# Altium PCB SP8T_ecal.PcbDoc (part 3 of 3)
Units mil, origin at the board's own origin, x right, y up, seen from the top; angles counter-clockwise.
Board outline 3670.29 x 2461.63 mil, 6 copper layers (TOP, L02_GND, L03_SIG, L04_GND, L05_GND, BOTTOM), stack 47.2 mil thick; 45 components, 41 nets, 408 pads, 2496 vias.
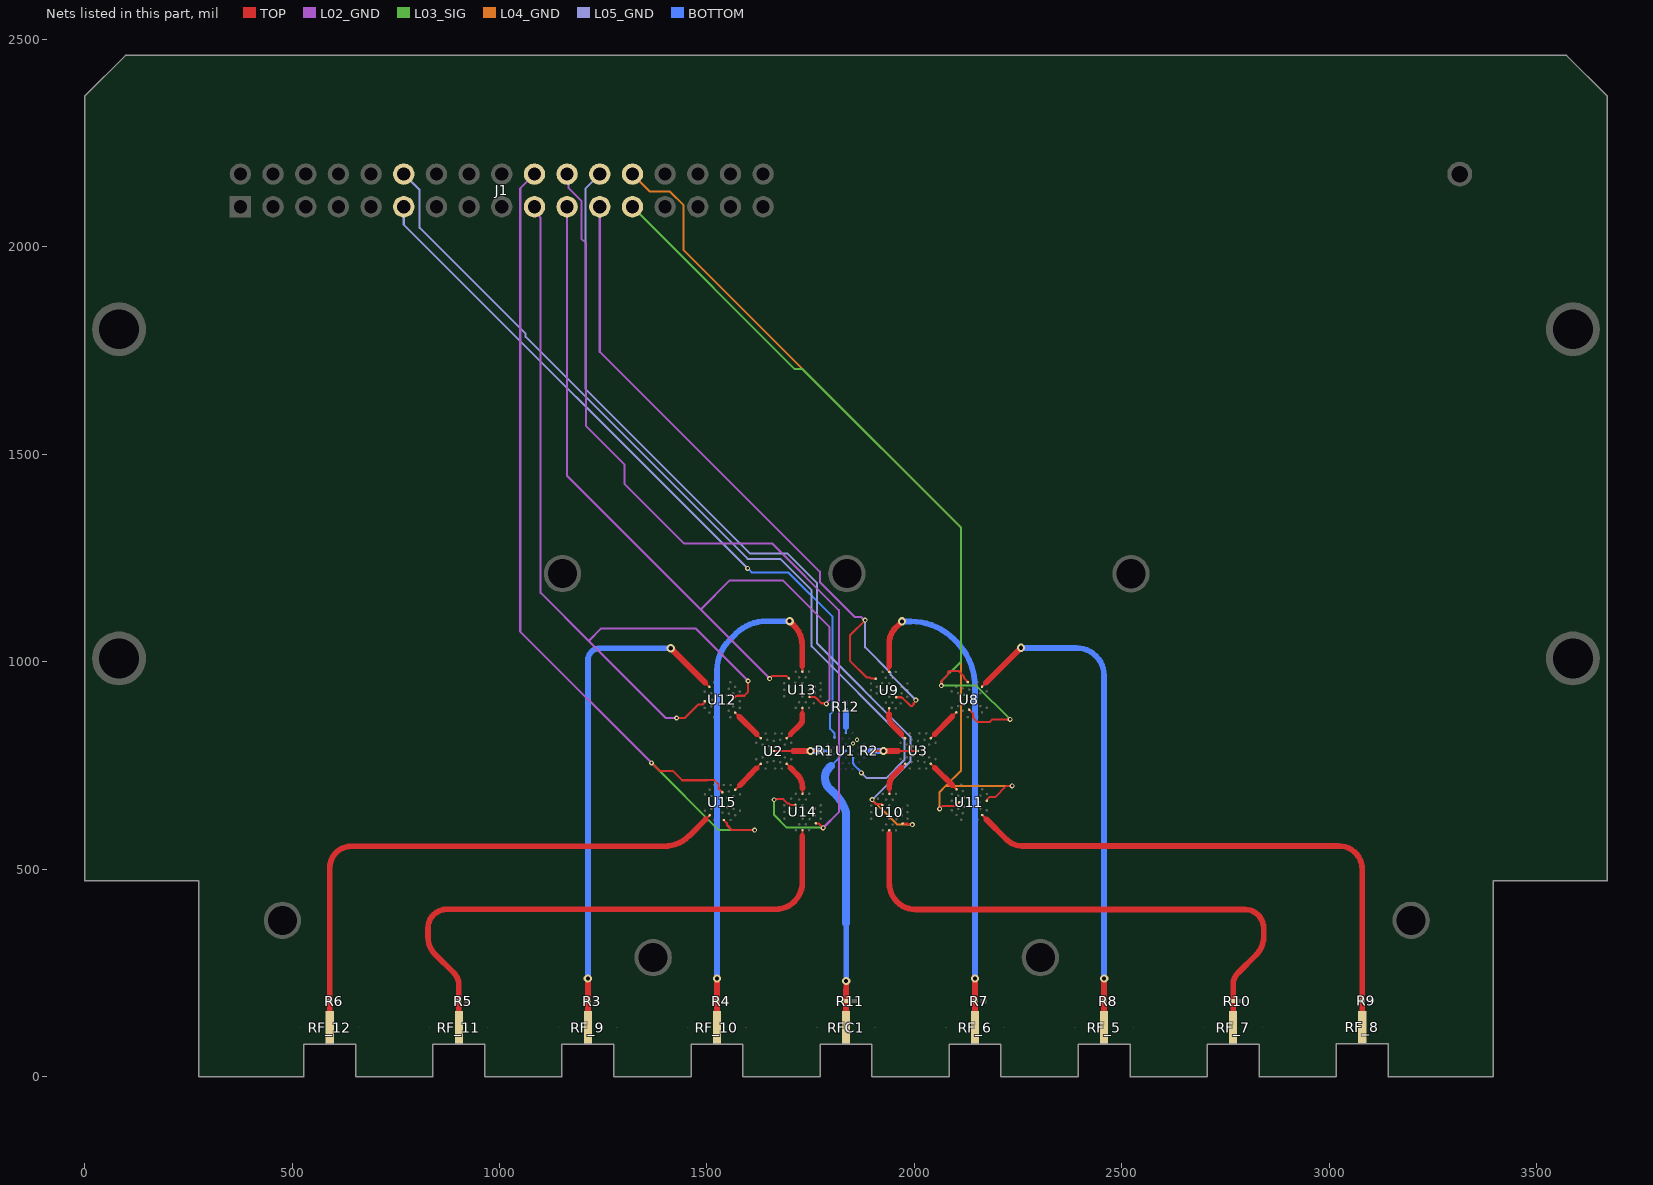
[diagram p7: the nets of this part, all layers, seen from the top]

## Via types
v1: diameter 20, hole 10, TOP to L02_GND, tented top, 791 vias
v2: diameter 20, hole 10, L05_GND to BOTTOM, tented top, 635 vias
v3: diameter 20, hole 10, TOP to BOTTOM, tented top, 619 vias
v4: diameter 10, hole 5, TOP to L02_GND, tented top, 386 vias
v5: diameter 12.01, hole 5.98, TOP to BOTTOM, 40 vias
v6: diameter 10, hole 5, L05_GND to BOTTOM, tented bottom, 25 vias

## Nets (pads, with @x,y where several pads share a name; then routed paths per layer and width w, separated by ;. In a path a pad name is that pad's centre, name@x,y a point inside that pad or via, vN(x,y) a via of type N, cw(c..) or ccw(c..) an arc to the next point about the centre after c; other vN are vias at no path point) (continued)
NetJ1_11: J1.11 U1.9 | length 1764.6
  L05_GND w5: J1.11@769.32,2096.22 769.32,2053.22 v5(1598,1224.53)
  BOTTOM w5: v5@1598.89,1223.86 1607.54,1215.21 1695.43,1215.21 1802.87,1107.76 1802.87,879.17 1797.04,873.33 1797.04,838.04 1807.49,827.6 U1.9@1807.49,816.94
NetJ1_12: J1.12 U1.16 | length 2129.1
  L05_GND w5: J1.12@769.32,2174.96 807.62,2136.66 807.62,2045.67 1063.17,1790.12 1063.17,1782.53 1597.9,1247.79 1676.5,1247.79 1752.45,1171.84 1752.45,1036.88 1976.23,813.1 1976.23,763.67 1931.78,719.23 1884.69,719.23 v5(1872.14,731.78)
  BOTTOM w5: U1.16@1852.11,767.64 1852.11,755.02 1854.18,752.96 1854.18,751.88 1872.14,733.92 v5(1872.14,731.78)
NetJ1_19: J1.19 U12.9 U12.16 | length 1996.8
  TOP w5: v5(1427.08,864.16) 1446.53,864.16 1479.18,896.81 1489.3,896.81 1494.68,902.19 U12.9@1494.68,904.84 ; U12.16@1561.09,908.15 1570.04,917.1 1572.97,917.1 1573.7,917.83 1590,917.83 1599.13,926.97 v5(1599.13,953.29)
  L02_GND w5: J1.19@1084.28,2096.22 1084.28,2084.83 1099.06,2070.04 1099.06,1165.7 1215.14,1049.62 ; v5(1427.08,864.16) 1400.6,864.16 1215.14,1049.62 ; v5(1599.13,953.29) 1472.42,1080 1245.52,1080 1215.14,1049.62
NetJ1_20: J1.20 U15.9 U15.16 | length 2173.9
  TOP w5: v5(1366.39,755.96) 1385.67,736.68 1417.76,736.68 1440.38,714.05 1500.55,714.05 1501.01,714.52 1518,714.52 1527.75,704.77 1527.75,697.33 1528.51,696.57 1528.51,693.64 U15.16@1537.43,684.72 ; U15.9@1540.74,618.31 1540.74,618.06 1548.22,610.57 1548.22,606.28 1560.45,594.06 v5(1615.03,594.06)
  L02_GND w5: J1.20@1084.28,2174.96 1050.05,2140.73 1050.05,1072.3 v5(1366.39,755.96)
  L03_SIG w5: v5(1366.39,755.96) 1528.29,594.06 v5(1615.03,594.06)
NetJ1_21: J1.21 U13.9 U13.16 | length 2013.2
  TOP w5: v5(1651.06,959.26) 1657.54,965.74 1691.18,965.74 1697.52,959.39 U13.9@1697.77,959.39 ; U13.16@1747.07,914.77 1759.61,914.77 1761.68,912.7 1762.84,912.7 1775.89,899.64 1786.29,899.64 v5(1787.63,898.3)
  L02_GND w5: J1.21@1163.02,2096.22 1163.02,1447.3 1484.75,1125.57 ; v5(1651.06,959.26) 1484.75,1125.57 ; v5(1787.63,898.3) 1787.63,900.2 1795.11,907.68 1795.11,1083.92 1683,1196.03 1555.21,1196.03 1484.75,1125.57
NetJ1_22: J1.22 U14.9 U14.16 | length 2234.5
  TOP w5: v5(1661.78,667.13) 1663.08,668.43 1683.84,668.43 1694.47,657.8 1697.78,657.8 1700.74,654.84 U14.16@1713.22,654.84 ; U14.9@1762.52,610.22 1768.78,610.22 v5(1779.85,599.15)
  L02_GND w5: J1.22@1163.02,2174.96 1165.94,2172.04 1165.94,2141.71 1197.25,2110.4 1197.25,2019.54 1208.89,2007.9 1208.89,1567.47 1301.76,1474.59 1301.76,1427.93 1445.43,1284.26 1657.89,1284.26 1818.02,1124.13 1818.02,637.32 v5(1779.85,599.15)
  L03_SIG w5: v5(1661.78,667.13) 1662.1,666.81 1662.1,630.24 1692.55,599.79 1779.21,599.79 v5(1779.85,599.15)
NetJ1_23: J1.23 U9.9 U9.16 | length 1772.1
  TOP w5: v5(1881.08,1100.05) 1845.15,1064.12 1845.15,1001.33 1884.43,962.05 1892.46,962.05 1895.67,958.84 U9.9@1907.02,958.84 ; U9.16@1956.32,914.22 1969.19,914.22 1971.25,912.16 1972.1,912.16 1990.69,893.57 1994.84,893.57 1998.37,897.1 1998.37,899.79 2003.76,905.18 v5(2003.76,907.07)
  L02_GND w5: J1.23@1241.76,2096.22 1241.76,1746.89 1772.11,1216.54 1772.11,1191.91 1856.57,1107.44 1871.79,1107.44 1879.18,1100.05 v5(1881.08,1100.05)
  L05_GND w5: v5(1881.08,1100.05) 1881.08,1034.34 1942.78,972.64 1942.78,968.05 v5(2003.76,907.07)
NetJ1_24: J1.24 U10.9 U10.16 | length 2113.6
  TOP w5: v5(1898.37,667.45) 1898.37,665.55 1899.71,664.21 1899.71,663.64 1906.77,656.58 1920.24,656.58 1922.3,654.52 U10.16@1922.55,654.52 ; U10.9@1971.85,609.9 1982.36,609.9 1984.84,607.41 v5(1995.1,607.41)
  L04_GND w5: v5(1898.37,667.45) 1958.41,607.41 v5(1995.1,607.41)
  L05_GND w5: J1.24@1241.76,2174.96 1207.53,2140.73 1207.53,1656.53 1603.28,1260.78 1693.51,1260.78 1765.44,1188.85 1765.44,1043.63 1990.19,818.87 1990.19,759.27 v5(1898.37,667.45)
NetJ1_25: J1.25 U8.9 U8.16 | length 1933.7
  TOP w5: v5(2065.03,942.27) 2065.89,943.12 2065.89,953.45 2081.61,969.18 2081.61,974.79 2084.54,977.72 2106.24,977.72 2119.95,964.01 2119.95,959.73 2128.69,950.99 U8.9@2128.69,950.74 ; U8.16@2132,884.33 2140.86,875.45 2140.86,872.54 2141.68,871.72 2141.86,871.54 2141.86,864.11 2151.42,854.54 2181.52,854.54 2187.88,860.91 v5(2230.82,860.91)
  L03_SIG w5: J1.25@1320.5,2096.22 1711.78,1704.94 1730.38,1704.94 2112.77,1322.56 2112.77,1000.34 2065.89,953.45 2065.89,943.12 v5(2065.03,942.27) 2149.46,942.27 v5(2230.82,860.91)
NetJ1_26: J1.26 U11.9 U11.16 | length 2198.6
  TOP w5: v5(2060.93,645.19) 2067.4,651.66 2095.65,651.66 2096.5,652.51 2099.43,652.51 U11.16@2108.26,661.34 ; U11.9@2174.67,664.65 2174.67,667.3 2180.79,673.42 2194.49,673.42 2221.7,700.64 v5(2235.4,700.64)
  L04_GND w5: J1.26@1320.5,2174.96 1362.37,2133.09 1410.78,2133.09 1443.75,2100.12 1443.75,1991.57 2112.77,1322.56 2112.77,737.61 2075.8,700.64 ; v5(2060.93,645.19) 2060.93,685.77 2075.8,700.64 ; v5(2235.4,700.64) 2075.8,700.64
NetR12_1: R12.1 U1.11 | length 52.2
  BOTTOM w5: U1.11@1834.99,828.52 1834.99,841.88
  BOTTOM w13.78: 1834.97,841.9 R12.1@1834.96,880.67
NetU2_4: U2.4 U12.14 | length 86.8
  TOP w5: U12.14@1567.82,877.21 1577.61,867.42 ; 1620.25,825.33 U2.4@1630.03,815.55
  TOP w13.78: 1577.78,866.89 1619.95,825.47
NetU2_7: U2.7 U15.14 | length 85.6
  TOP w5: U15.14@1568.37,691.45 1578.15,701.23 ; 1620.25,743.88 U2.7@1630.03,753.67
  TOP w13.78: 1579.04,701.79 1619.34,743.36
NetU2_11: U2.11 U14.14 | length 84.3
  TOP w5: U2.11@1691.91,753.67 1701.69,743.88 ; U14.14@1730.34,681.48 1730.34,692.8
  TOP w13.78: 1701.09,744.41 1717.27,728.23 cw(c1686.18,697.08) 1730.19,697.09 1730.19,695.47
NetU2_14: U2.14 U13.14 | length 84.2
  TOP w5: U2.14@1691.91,815.55 1701.69,825.33 ; 1729.95,876.81 U13.14@1729.95,888.13
  TOP w13.78: 1701.68,825.63 1725.26,849.21 ccw(c1714.8,859.72) 1729.63,859.72 1729.63,873.78
NetU3_4: U3.4 U9.14 | length 87.6
  TOP w5: 1938.91,873.23 U9.14@1939.2,887.58 ; 1967.71,825.44 U3.4@1977.75,815.63
  TOP w13.78: 1938.93,873.23 1938.93,868.46 ccw(c1972.57,868.47) 1948.81,844.65 1968.57,824.88
NetU3_7: U3.7 U10.14 | length 84.3
  TOP w5: U10.14@1939.67,681.16 1939.67,692.48 ; 1967.82,743.66 U3.7@1977.75,753.75
  TOP w10: 1939.4,700.24 1939.67,699.97
  TOP w13.78: 1939.4,700.24 cw(c1975.62,700.24) 1949.98,725.82 ; 1939.67,695.16 1939.67,699.97 ; 1949.99,725.83 1967.82,743.66
NetU3_11: U3.11 U11.14 | length 87.1
  TOP w5: U3.11@2039.63,753.75 2049.67,743.95 ; 2091.49,702.08 U11.14@2101.53,692.28
  TOP w13.78: 2049.71,743.82 2091.52,702.09
NetU3_14: U3.14 U8.14 | length 87.1
  TOP w5: U3.14@2039.63,815.63 2049.44,825.67 ; 2091.25,867.56 U8.14@2101.06,877.6
  TOP w13.78: 2049.87,825.43 2091.25,867.56
RF_OUT_1: R4.1 RF_10.1 U13.7 | length 1232.8
  TOP w5: U13.7@1729.95,975.65 1729.95,989.33
  TOP w13.78: RF_10.1@1524.12,118.11 1524.12,185.08 v3(1524.12,236.26) ; v3(1699.28,1097.56) 1709.41,1087.46 cw(c1660.68,1038.58) 1729.7,1038.58 1729.7,989.62 1729.95,989.37
  BOTTOM w13.78: v3(1524.12,236.26) 1524.12,979.49 cw(c1625.63,979.48) 1553.85,1051.26 1569.36,1066.77 cw(c1643.61,992.49) 1643.61,1097.52 v3(1699.28,1097.56) v3(1699.28,1097.56)
RF_OUT_2: R3.1 RF_9.1 U12.7 | length 1233.4
  TOP w5: 1495.92,948.9 1505.7,939.12 U12.7@1505.94,939.09
  TOP w13.78: RF_9.1@1213.1,118.11 1213.1,181.34 1213.1,189.76 v3(1213.1,236.22) ; v3(1412.67,1032.4) 1495.93,948.9
  BOTTOM w13.78: v3(1213.1,236.22) 1213.1,1003.23 cw(c1242.27,1003.23) 1242.27,1032.4 v3(1412.67,1032.4)
RF_OUT_3: R6.1 RF_12.1 U15.7 | length 1349.9
  TOP w5: 1496.68,619.53 1506.48,629.33 U15.7@1506.49,629.57
  TOP w13.78: RF_12.1@591.05,118.11 591.05,171.35 591.14,171.44 591.14,181.7 R6.1@591.22,181.79 ; 591.05,189.37 591.05,503.03 cw(c643.02,503.03) 643.02,555 1396.64,555 ccw(c1396.64,640.73) 1457.27,580.12 1496.68,619.53
RF_OUT_4: R5.1 RF_11.1 U14.7 | length 1358.3
  TOP w5: R5.1@902.01,186.36 902.25,186.13 R5.1@902.88,186.13 ; 1730.34,579.61 U14.7@1730.34,593.96
  TOP w13.78: RF_11.1@902.07,118.11 902.07,181.2 902.07,185.11 902.07,189.76 902.07,220.75 ccw(c861.58,220.75) 890.22,249.37 844.95,294.69 cw(c886.31,336.1) 827.78,336.06 827.78,357.83 cw(c873.1,357.83) 873.1,403.15 1665.22,403.15 ccw(c1665.23,467.95) 1730.03,467.95 1730.03,579.61
RF_OUT_5: R8.1 RF_5.1 U8.7 | length 1219.5
  TOP w5: U8.7@2162.94,939.48 2172.63,949.17
  TOP w13.78: 2172.63,949.17 v3(2256.8,1033.35) ; RF_5.1@2457.19,118.11 2457.19,181.49 2457.19,184.17 2457.19,189.76 v3(2457.19,236.26)
  BOTTOM w13.78: v3(2256.8,1033.35) 2257.11,1033.03 2390.38,1033.03 cw(c2390.38,966.22) 2457.19,966.22 v3(2457.19,236.26)
RF_OUT_6: R7.1 RF_6.1 U9.7 | length 1219.3
  TOP w5: U9.7@1939.2,975.1 1939.2,988.78
  TOP w13.78: 1939.2,988.82 1939.2,1043.15 cw(c1994.99,1043.15) 1955.54,1082.6 v3(1969.95,1097.01) ; RF_6.1@2146.17,118.11 2146.17,190.39 v3(2146.17,236.26)
  BOTTOM w13.78: v3(1969.95,1097.01) v3(1969.95,1097.01) 1991.29,1096.97 cw(c1991.29,949.55) 2095.54,1053.78 2100.46,1048.86 cw(c1990.1,938.5) 2146.17,938.5 v3(2146.17,236.26)
RF_OUT_7: R10.1 RF_7.1 U10.7 | length 1364.6
  TOP w5: 1939.67,579.29 1939.67,586.47 U10.7@1939.67,593.64
  TOP w13.78: 1939.67,586.47 1939.65,579.29 1939.4,466.1 ccw(c2002.67,466.1) 2002.67,402.83 2796.33,402.83 cw(c2796.33,357.52) 2841.64,357.52 2841.64,335.75 cw(c2783.11,335.77) 2824.48,294.37 2779.2,249.06 ccw(c2805.74,222.54) 2768.22,222.52 2768.22,189.53 RF_7.1@2768.22,118.11
RF_OUT_8: R9.1 RF_8.1 U11.7 | length 1357.3
  TOP w5: U11.7@2163.41,630.4 2173.33,620.08
  TOP w13.78: 2173.33,620.08 2221.88,571.54 ccw(c2259.71,609.37) 2259.71,555.87 3022.67,555.87 cw(c3022.67,499.06) 3079.48,499.06 3079.48,189.53 3079.48,182.01 RF_8.1@3079.48,118.98
RF_STG1_INPUT: R11.1 RFC1.1 U1.29 | length 710.9
  TOP w13.78: RFC1.1@1835.15,118.11 1835.12,189.12 1835.16,193.73 v3(1835.5,230.5)
  BOTTOM w5: 1792.86,742.46 1798.7,748.32 U1.29@1834.99,784.76
  BOTTOM w13.78: v3(1835.5,230.5) 1835.5,369.6
  BOTTOM w19.69: 1798.7,748.32 ccw(c1820.4,719.62) 1797.7,691.7 cw(c1723.02,599.85) 1831.35,647.58 cw(c1787.57,628.29) 1835.41,628.3 1835.5,369.6
  other v6: 1852.11,802.58 1861.91,811.67
RF_STG1_OUT_1: R1.1 U1.7 U2.29 | length 155
  TOP w5: U2.29@1660.97,784.61 1708.3,784.5 ; v3(1749.8,784.5) 1749.87,784.56 1774.39,784.56 R1.1@1774.45,784.63
  TOP w13.78: 1708.3,784.5 v3(1749.8,784.5)
  BOTTOM w5: 1777.7,784.5 U1.7@1791.23,784.76
  BOTTOM w13.78: v3(1749.8,784.5) 1777.7,784.5
RF_STG1_OUT_3: R2.2 U1.14 U3.29 | length 153.8
  TOP w5: 1960.67,784.69 U3.29@2008.69,784.69
  TOP w6: R2.2@1901.52,784.8 v3(1925.4,784.8)
  TOP w13.78: v3(1925.4,784.8) 1960.67,784.69
  BOTTOM w5: U1.14@1878.75,784.76 1893.6,784.8
  BOTTOM w13.78: 1893.6,784.8 v3(1925.4,784.8)
pads on no net: J1.13 J1.14 J1.15 J1.16 J1.17 J1.18 J1.27 J1.28 J1.29 J1.30 J1.31 J1.32

## Polygon pours and split planes (outlines as drawn)
GND on L03_SIG "L03_SIG-GND 1" (solid, remove dead copper, pour order 64): 483 vertices, not listed, extent 30.56,0.63 3639.53,2431.1
GND on L03_SIG "L03_SIG-GND" (solid, pour order 82): 151 vertices, not listed, extent 1637.62,851.01 1724.73,902.88
GND on BOTTOM "BOTTOM-GND" (solid, remove dead copper, pour order 74): 487 vertices, not listed, extent 30.66,0.16 3639.63,2430.63
RF_STG1_INPUT on BOTTOM "BOTTOM-RF_STG1_INPUT 2" (solid, pour order 132): 1837.7,781.9 1801,745.1 1795.19,750.49 1831.9,787.2 1832.15,787.44 1832.42,787.65 1832.7,787.84 1833,788 1833.32,788.14 1833.64,788.25 1833.97,788.33 1834.31,788.38 1834.66,788.41 1835,788.4 1835.34,788.36 1835.68,788.29 1836,788.19 1836.32,788.07 1836.63,787.92 1836.92,787.74 1837.2,787.54 1837.46,787.31 1837.69,787.06 1837.91,786.79 1838.1,786.51 1838.26,786.21 1838.4,785.89 1838.51,785.57 1838.59,785.23 1838.64,784.9 1838.66,784.55 1838.65,784.21 1838.62,783.87 1838.55,783.53 1838.45,783.21 1838.33,782.89 1838.17,782.58 1838,782.29 1837.79,782.01
RF_STG1_INPUT on BOTTOM "BOTTOM-RF_STG1_INPUT" (solid, pour order 136): 1788.76,751.76 1801.73,738.19 1807.1,742.52 1807.69,743.15 1808.22,743.83 1808.69,744.55 1809.1,745.32 1809.44,746.11 1809.71,746.93 1809.9,747.77 1810.02,748.63 1810.07,749.49 1810.04,750.35 1809.94,751.21 1809.76,752.06 1809.51,752.88 1809.19,753.68 1808.79,754.45 1808.34,755.19 1807.82,755.88 1807.24,756.52 1806.61,757.11 1805.93,757.64 1805.21,758.11 1804.45,758.52 1803.65,758.86 1802.83,759.13 1801.99,759.32 1801.13,759.44 1800.27,759.49 1799.41,759.46 1798.55,759.36 1797.71,759.18 1796.88,758.93 1796.08,758.61 1795.31,758.21 1794.57,757.76 1793.88,757.24 1793.24,756.66 1793.1,756.52
RF_STG1_INPUT on BOTTOM "BOTTOM-RF_STG1_INPUT 1" (solid, pour order 134): 1845.41,359.43 1845.29,369.23 1845.24,370.09 1845.11,370.94 1844.91,371.77 1844.64,372.59 1844.3,373.38 1843.89,374.13 1843.42,374.85 1842.89,375.52 1842.3,376.15 1841.65,376.72 1840.96,377.23 1840.23,377.68 1839.47,378.06 1838.67,378.38 1837.84,378.62 1837,378.8 1836.15,378.9 1835.29,378.92 1834.43,378.87 1833.58,378.74 1832.75,378.54 1831.93,378.27 1831.14,377.93 1830.39,377.52 1829.67,377.05 1829,376.52 1828.37,375.93 1827.8,375.28 1827.29,374.59 1826.84,373.86 1826.46,373.1 1826.14,372.3 1825.9,371.47 1825.72,370.63 1825.62,369.78 1825.6,368.92 1825.72,359.15 1828.71,342.58 1842.49,342.38
GND on L02_GND "L02_GND-GND" (solid, pour order 66): 487 vertices, not listed, extent 30.66,0.16 3639.63,2430.63
GND on L04_GND "L04_GND-GND 1" (solid, remove dead copper, pour order 68): 487 vertices, not listed, extent 30.66,0.16 3639.63,2430.63
GND on L05_GND "L05_GND-GND" (solid, remove dead copper, pour order 72): 487 vertices, not listed, extent 30.66,0.16 3639.63,2430.63
GND on TOP "L04_GND-GND 1" (solid, remove dead copper, pour order 162): 487 vertices, not listed, extent 33.41,-4.65 3642.38,2425.82

## Keep-outs
TOP:
  circle w0.01: c476.94,376.49 r50.02
  circle w0.01: c1370.55,286.83 r50.02
  circle w0.01: c2303.47,286.73 r50.02
  circle w0.01: c3197.05,376.66 r50.02
  circle w0.01: c2522,1211.78 r50.02
  circle w0.01: c1151.87,1212.02 r50.02
  circle w0.01: c1837.12,1212.03 r50.02
  circle w0.01: c3314.28,2174.96 r35.02
  circle w0.01: c1969.95,1097.01 r13.96
  region: 1528.92,908.15 cw(c1536.88,908.15) 1536.88,916.11 1536.92,916.11 cw(c1536.92,908.15) 1544.88,908.15 cw(c1536.92,908.15) 1536.92,900.19 1536.9,900.19 cw(c1536.9,908.15) 1528.94,908.15
  region: 1721.99,931.89 cw(c1729.95,931.89) 1729.95,939.85 1729.99,939.85 cw(c1729.99,931.89) 1737.95,931.89 cw(c1729.99,931.89) 1729.99,923.93 1729.97,923.93 cw(c1729.97,931.89) 1722.01,931.89
  region: 2124.04,908.54 cw(c2132,908.54) 2132,916.5 2132.04,916.5 cw(c2132.04,908.54) 2140,908.54 cw(c2132.04,908.54) 2132.04,900.58 2132.02,900.58 cw(c2132.02,908.54) 2124.06,908.54
  region: 2124.51,661.34 cw(c2132.47,661.34) 2132.47,669.3 2132.51,669.3 cw(c2132.51,661.34) 2140.47,661.34 cw(c2132.51,661.34) 2132.51,653.38 2132.49,653.38 cw(c2132.49,661.34) 2124.53,661.34
  region: 1931.71,637.4 cw(c1939.67,637.4) 1939.67,645.36 1939.71,645.36 cw(c1939.71,637.4) 1947.67,637.4 cw(c1939.71,637.4) 1939.71,629.44 1939.69,629.44 cw(c1939.69,637.4) 1931.73,637.4
  region: 1931.24,931.34 cw(c1939.2,931.34) 1939.2,939.3 1939.24,939.3 cw(c1939.24,931.34) 1947.2,931.34 cw(c1939.24,931.34) 1939.24,923.38 1939.22,923.38 cw(c1939.22,931.34) 1931.26,931.34
  region: 1529.47,660.51 cw(c1537.43,660.51) 1537.43,668.47 1537.47,668.47 cw(c1537.47,660.51) 1545.43,660.51 cw(c1537.47,660.51) 1537.47,652.55 1537.45,652.55 cw(c1537.45,660.51) 1529.49,660.51
  region: 1722.36,637.72 cw(c1730.32,637.72) 1730.32,645.68 1730.36,645.68 cw(c1730.36,637.72) 1738.32,637.72 cw(c1730.36,637.72) 1730.36,629.76 1730.34,629.76 cw(c1730.34,637.72) 1722.38,637.72
  lines w0.01: 1717.07,1095.14 1717.16,1095.05

## Other copper
TOP:
  region net RF_STG1_OUT_3: 2006.6,789.61 cw(c2006.6,784.69) 2011.52,784.69 cw(c2006.6,784.69) 2006.6,779.77 1991.13,779.81 1957.42,774.61 1953.81,774.61 1953.81,794.3 1957.35,794.3 1991.13,789.63
  region net NetU3_4: 1961.05,818.35 1974.99,832.25 1981.92,825.32 cw(c1974.97,818.37) 1981.92,811.42 1981.9,811.4 cw(c1974.95,818.35) 1968,811.4 1967.97,811.42
  region net NetU3_14: 2056.5,818.76 2042.59,832.67 2036.02,826.11 ccw(c2042.97,819.16) 2036.01,812.2 2036.03,812.19 ccw(c2042.98,819.14) 2049.94,812.19
  region net NetU3_11: 2036.25,743.6 2042.51,737.34 2056.44,751.27 2050.18,757.53 ccw(c2043.22,750.57) 2036.26,757.53 2036.25,757.52 ccw(c2043.21,750.56)
  region net NetU3_7: 1968.49,758.19 1960.9,750.6 1974.79,736.71 1982.39,744.3 ccw(c1975.44,751.24) 1982.39,758.19 1982.38,758.19 ccw(c1975.43,751.25)
  region net NetU2_4: 1613.33,818.27 1627.27,832.17 1634.2,825.24 cw(c1627.25,818.29) 1634.2,811.34 1634.18,811.32 cw(c1627.23,818.27) 1620.28,811.32 1620.25,811.34
  region net NetU2_14: 1708.78,818.68 1694.87,832.59 1688.3,826.03 ccw(c1695.25,819.08) 1688.29,812.12 1688.31,812.11 ccw(c1695.26,819.06) 1702.22,812.11
  region net NetU2_11: 1688.53,743.52 1694.79,737.26 1708.72,751.19 1702.46,757.45 ccw(c1695.5,750.49) 1688.54,757.45 1688.53,757.44 ccw(c1695.49,750.48)
  region net NetU2_7: 1620.77,758.11 1613.18,750.52 1627.07,736.63 1634.67,744.22 ccw(c1627.72,751.16) 1634.67,758.11 1634.66,758.11 ccw(c1627.71,751.17)
  region net RF_STG1_OUT_1: 1663.06,779.69 cw(c1663.06,784.61) 1658.14,784.61 cw(c1663.06,784.61) 1663.06,789.53 1678.53,789.49 1712.24,794.69 1715.85,794.69 1715.85,775 1712.31,775 1678.53,779.67
  region net RF_OUT_7: 1929.98,579.5 1929.98,590.24 cw(c1939.8,590.24) 1939.8,600.06 1939.81,600.06 cw(c1939.81,590.24) 1949.63,590.24 1949.63,579.5
  region net RF_OUT_8: 2166.56,613.55 2158.97,621.14 cw(c2165.91,628.08) 2158.97,635.03 2158.97,635.04 cw(c2165.92,628.09) 2172.86,635.04 2180.45,627.44
  region net RF_OUT_5: 2179.79,942.63 2172.2,935.04 cw(c2165.26,941.98) 2158.31,935.04 2158.3,935.04 cw(c2165.25,941.99) 2158.3,948.93 2165.9,956.52
  region net RF_OUT_6: 1948.89,989.24 1948.89,978.5 cw(c1939.07,978.5) 1939.07,968.68 1939.06,968.68 cw(c1939.06,978.5) 1929.24,978.5 1929.24,989.24
  region net RF_OUT_4: 1720.65,579.82 1720.65,590.56 cw(c1730.47,590.56) 1730.47,600.38 1730.48,600.38 cw(c1730.48,590.56) 1740.3,590.56 1740.3,579.82
  region net RF_OUT_3: 1489.64,626.42 1497.23,634.02 cw(c1504.18,627.07) 1511.12,634.02 1511.13,634.01 cw(c1504.19,627.07) 1511.13,620.12 1503.53,612.53
  region net RF_OUT_1: 1739.64,989.79 1739.64,979.05 cw(c1729.82,979.05) 1729.82,969.23 1729.81,969.23 cw(c1729.81,979.05) 1719.99,979.05 1719.99,989.79
  region net RF_OUT_2: 1502.79,955.94 1510.39,948.35 cw(c1503.44,941.4) 1510.39,934.46 1510.38,934.45 cw(c1503.44,941.39) 1496.49,934.45 1488.9,942.05
  region net GND: 2179.82,695.16 2173.56,688.9 cw(c2166.6,695.86) 2159.64,688.9 2159.63,688.91 cw(c2166.59,695.87) 2159.63,702.83 2165.9,709.1
  region net GND: 1997.07,627.83 1988.21,627.83 cw(c1988.21,637.67) 1978.37,637.67 1978.37,637.69 cw(c1988.21,637.69) 1988.21,647.53 1997.08,647.53
  region net GND: 2098.18,955.89 2104.45,949.63 cw(c2097.49,942.67) 2104.45,935.71 2104.43,935.7 cw(c2097.47,942.66) 2090.52,935.7 2084.25,941.97
  region net GND: 1881.8,940.91 1890.66,940.91 cw(c1890.66,931.07) 1900.5,931.07 1900.5,931.05 cw(c1890.66,931.05) 1890.66,921.21 1881.79,921.21
  region net GND: 1787.74,628.15 1778.88,628.15 cw(c1778.88,637.99) 1769.04,637.99 1769.04,638.01 cw(c1778.88,638.01) 1778.88,647.85 1787.75,647.85
  region net GND: 1571.25,613.16 1564.99,619.42 cw(c1571.95,626.38) 1564.99,633.34 1565,633.35 cw(c1571.96,626.39) 1578.92,633.35 1585.19,627.08
  region net GND: 1672.55,941.46 1681.41,941.46 cw(c1681.41,931.62) 1691.25,931.62 1691.25,931.6 cw(c1681.41,931.6) 1681.41,921.76 1672.54,921.76
  region net GND: 1489.44,874.32 1495.7,880.59 cw(c1502.66,873.63) 1509.62,880.59 1509.63,880.57 cw(c1502.67,873.61) 1509.63,866.66 1503.36,860.38
  region net NetU3_14: 2098.1,860.56 2104.68,867.12 ccw(c2097.72,874.07) 2104.68,881.03 2104.66,881.04 ccw(c2097.71,874.09) 2090.75,881.04 2090.74,881.03 2084.17,874.49 2091.14,867.52
  region net NetU3_11: 2084.49,695.24 2091.05,688.66 ccw(c2098,695.62) 2104.96,688.66 2104.97,688.68 ccw(c2098.02,695.63) 2104.97,702.59 2104.96,702.6 2098.42,709.17 2091.45,702.2
  region net NetU3_7: 1929.71,695.3 1929.7,686.01 ccw(c1939.54,686.01) 1939.54,676.17 1939.56,676.17 ccw(c1939.56,686.01) 1949.39,686.01 1949.39,686.03 1949.41,695.3 1939.56,695.3
  region net NetU3_4: 1949.16,873.44 1949.17,882.73 ccw(c1939.33,882.73) 1939.33,892.56 1939.32,892.56 ccw(c1939.32,882.73) 1929.48,882.73 1929.48,882.71 1929.46,873.44 1939.31,873.44
  region net NetU2_14: 1739.91,873.99 1739.92,883.28 ccw(c1730.08,883.28) 1730.08,893.12 1730.07,893.12 ccw(c1730.07,883.28) 1720.23,883.28 1720.23,883.26 1720.21,873.99 1730.06,873.99
  region net NetU2_11: 1720.38,695.62 1720.37,686.33 ccw(c1730.21,686.33) 1730.21,676.49 1730.22,676.49 ccw(c1730.22,686.33) 1740.06,686.33 1740.06,686.35 1740.08,695.62 1730.23,695.62
  region net NetU2_7: 1571.33,708.49 1564.75,701.93 ccw(c1571.7,694.97) 1564.75,688.02 1564.76,688.01 ccw(c1571.72,694.96) 1578.67,688.01 1578.69,688.02 1585.26,694.56 1578.29,701.53
  region net NetU2_4: 1584.86,874.25 1578.3,880.83 ccw(c1571.34,873.88) 1564.39,880.83 1564.38,880.82 ccw(c1571.33,873.86) 1564.38,866.91 1564.39,866.89 1570.93,860.32 1577.9,867.29
  region net GND: 2098.8,613.5 2105.76,620.45 ccw(c2098.8,627.4) 2105.76,634.35 2105.73,634.37 ccw(c2098.78,627.42) 2091.83,634.37 2084.9,627.44
  region net GND: 2179.64,874.88 2172.69,881.84 ccw(c2165.74,874.88) 2158.79,881.84 2158.77,881.81 ccw(c2165.72,874.86) 2158.77,867.91 2165.7,860.98
  region net GND: 1882.18,627.51 1892.01,627.51 ccw(c1892.01,637.34) 1901.84,637.34 1901.84,637.37 ccw(c1892.01,637.37) 1892.01,647.2 1882.21,647.2
  region net GND: 1996.69,941.23 1986.86,941.23 ccw(c1986.86,931.4) 1977.03,931.4 1977.03,931.37 ccw(c1986.86,931.37) 1986.86,921.54 1996.66,921.54
  region net GND: 1672.68,627.98 1682.51,627.98 ccw(c1682.51,637.81) 1692.34,637.81 1692.34,637.84 ccw(c1682.51,637.84) 1682.51,647.67 1672.71,647.67
  region net GND: 1489.78,694.18 1496.73,687.22 ccw(c1503.68,694.18) 1510.63,687.22 1510.65,687.25 ccw(c1503.7,694.2) 1510.65,701.15 1503.72,708.08
  region net GND: 1787.44,941.78 1777.61,941.78 ccw(c1777.61,931.95) 1767.78,931.95 1767.78,931.92 ccw(c1777.61,931.92) 1777.61,922.09 1787.41,922.09
  region net GND: 1570.54,955.79 1563.59,948.84 ccw(c1570.54,941.89) 1563.59,934.94 1563.61,934.92 ccw(c1570.56,941.87) 1577.51,934.92 1584.44,941.85
  region net GND: 2979.48,158.35 3040.11,158.35 3040.11,72.95 3022.94,72.95 3022.94,-5.14 2979.48,-5.14
  region net GND: 3179.48,158.35 3118.85,158.35 3118.85,72.95 3136.02,72.95 3136.02,-5.14 3179.48,-5.14
  region net GND: 2668.22,157.48 2728.85,157.48 2728.85,72.08 2711.68,72.08 2711.68,-6.01 2668.22,-6.01
  region net GND: 2868.22,157.48 2807.59,157.48 2807.59,72.08 2824.76,72.08 2824.76,-6.01 2868.22,-6.01
  region net GND: 2357.19,157.48 2417.82,157.48 2417.82,72.08 2400.65,72.08 2400.65,-6.01 2357.19,-6.01
  region net GND: 2557.19,157.48 2496.56,157.48 2496.56,72.08 2513.73,72.08 2513.73,-6.01 2557.19,-6.01
  region net GND: 2046.17,157.48 2106.8,157.48 2106.8,72.08 2089.63,72.08 2089.63,-6.01 2046.17,-6.01
  region net GND: 2246.17,157.48 2185.54,157.48 2185.54,72.08 2202.71,72.08 2202.71,-6.01 2246.17,-6.01
  region net GND: 1735.15,157.48 1795.78,157.48 1795.78,72.08 1778.61,72.08 1778.61,-6.01 1735.15,-6.01
  region net GND: 1935.15,157.48 1874.52,157.48 1874.52,72.08 1891.69,72.08 1891.69,-6.01 1935.15,-6.01
  region net GND: 1424.12,157.48 1484.75,157.48 1484.75,72.08 1467.58,72.08 1467.58,-6.01 1424.12,-6.01
  region net GND: 1624.12,157.48 1563.49,157.48 1563.49,72.08 1580.66,72.08 1580.66,-6.01 1624.12,-6.01
  region net GND: 1113.1,157.48 1173.73,157.48 1173.73,72.08 1156.56,72.08 1156.56,-6.01 1113.1,-6.01
  region net GND: 1313.1,157.48 1252.47,157.48 1252.47,72.08 1269.64,72.08 1269.64,-6.01 1313.1,-6.01
  region net GND: 802.07,157.48 862.7,157.48 862.7,72.08 845.53,72.08 845.53,-6.01 802.07,-6.01
  region net GND: 1002.07,157.48 941.44,157.48 941.44,72.08 958.61,72.08 958.61,-6.01 1002.07,-6.01
  region net GND: 691.05,157.48 630.42,157.48 630.42,72.08 647.59,72.08 647.59,-6.01 691.05,-6.01
  region net GND: 491.05,157.48 551.68,157.48 551.68,72.08 534.51,72.08 534.51,-6.01 491.05,-6.01
  region net GND: 1933.58,157.48 1874.48,157.48 1874.48,78.78 1898.18,78.78 1898.18,0 1933.58,0
  region net GND: 1795.78,157.48 1736.72,157.48 1736.72,0 1772.16,0 1772.16,78.74 1795.78,78.74
  region net GND: 1622.55,157.48 1563.45,157.48 1563.45,78.78 1587.15,78.78 1587.15,0 1622.55,0
  region net GND: 1484.75,157.48 1425.69,157.48 1425.69,0 1461.13,0 1461.13,78.74 1484.75,78.74
  region net GND: 1311.53,157.48 1252.43,157.48 1252.43,78.78 1276.13,78.78 1276.13,0 1311.53,0
  region net GND: 1173.73,157.48 1114.67,157.48 1114.67,0 1150.11,0 1150.11,78.74 1173.73,78.74
  region net GND: 689.48,157.48 630.38,157.48 630.38,78.78 654.08,78.78 654.08,0 689.48,0
  region net GND: 551.68,157.48 492.62,157.48 492.62,0 528.06,0 528.06,78.74 551.68,78.74
  region net GND: 1000.5,157.48 941.4,157.48 941.4,78.78 965.1,78.78 965.1,0 1000.5,0
  region net GND: 862.7,157.48 803.64,157.48 803.64,0 839.08,0 839.08,78.74 862.7,78.74
  region net GND: 2555.62,157.48 2496.52,157.48 2496.52,78.78 2520.22,78.78 2520.22,0 2555.62,0
  region net GND: 2417.82,157.48 2358.76,157.48 2358.76,0 2394.2,0 2394.2,78.74 2417.82,78.74
  region net GND: 2244.6,157.48 2185.5,157.48 2185.5,78.78 2209.2,78.78 2209.2,0 2244.6,0
  region net GND: 2106.8,157.48 2047.74,157.48 2047.74,0 2083.18,0 2083.18,78.74 2106.8,78.74
  region net GND: 2728.85,157.48 2669.79,157.48 2669.79,0 2705.23,0 2705.23,78.74 2728.85,78.74
  region net GND: 2866.65,157.48 2807.55,157.48 2807.55,78.78 2831.25,78.78 2831.25,0 2866.65,0
  region net GND: 3177.91,158.35 3118.81,158.35 3118.81,79.65 3142.51,79.65 3142.51,0.87 3177.91,0.87
  region net GND: 3040.11,158.35 2981.05,158.35 2981.05,0.87 3016.49,0.87 3016.49,79.61 3040.11,79.61
BOTTOM:
  region net GND: 1825.1,727.27 1844.79,727.3 1844.79,737.1 ccw(c1834.96,737.1) 1834.96,746.93 1834.93,746.93 ccw(c1834.93,737.1) 1825.1,737.1 1825.1,737.07
  region net RF_STG1_OUT_3: 1892.89,794.48 1892.89,774.8 1883.6,774.8 cw(c1883.6,784.62) 1873.76,784.62 1873.76,784.65 cw(c1883.6,784.65) 1883.6,794.48
  region net NetR12_1: 1825.42,833.3 1825.42,842.16 1845.12,842.16 1845.12,833.3 cw(c1835.28,833.3) 1835.28,823.46 1835.26,823.46 cw(c1835.26,833.3)
  region net RF_STG1_OUT_1: 1787.83,775.07 1777.09,775.07 1777.09,794.72 1787.83,794.72 cw(c1787.83,784.9) 1797.65,784.9 1797.65,784.89 cw(c1787.83,784.89)
  region net RF_STG1_INPUT: 1832.99,789.72 ccw(c1836.47,786.24) 1832.99,782.76 ccw(c1836.47,786.24) 1839.95,782.76 1850.86,793.73 1878.37,813.89 1880.92,816.44 1867,830.36 1864.5,827.86 1843.91,800.67

## Silkscreen, mask and mechanical layers (free items; w line width, h text height)
Top Overlay:
  lines w10: 627.22,169.15 3257.05,169.15
  text "SHORT" at 785.06,2227.45 h30 r90
  text "!1" at 1104.53,2226.22 h30 r90
  text "!2" at 1181.01,2222.55 h30 r90
  text "!7" at 1258.72,2220.71 h30 r90
  text "GND" at 1599.51,2219.56 h30
  text "!8" at 1341.58,2218.42 h30 r90
  text "1,2,3,4" at 385.24,2217.42 h25 r90
  text "3" at 470.26,2215.34 h25 r90
  text "2" at 547.48,2216.26 h25 r90
  text "8" at 706.48,2215.34 h25 r90
  text "5" at 629.22,2214.35 h25 r90
  text "GND" at 1605.34,2019.32 h30
  text "1" at 549.78,2007.01 h30 r90
  text "7" at 709.6,2000.67 h30 r90
  text "6" at 628.27,1999.32 h30 r90
  text "4" at 471.54,1997.93 h30 r90
  text "!4" at 1178.56,1992.5 h30 r90
  text "!3" at 1106.98,1991.89 h30 r90
  text "!5" at 1256.88,1991.89 h30 r90
  text "!6" at 1341.31,1991.27 h30 r90
  text "Island ground control" at 957.76,1944.4 h30
  text "5,6,7,8" at 395.59,1818.32 h30 r90
  text "ECAL-LOAD" at 784.1,1760.66 h30 r90
  text "RFC" at 1867.78,238.69 h60 r90
  text "1" at 483.93,204.19 h60
  text "2" at 814.98,199.63 h60
  text "3" at 1127.82,199.63 h60
  text "8" at 2995.69,199.64 h60
  text "5" at 2057.2,198.11 h60
  text "6" at 2357.88,198.11 h60
  text "7" at 2681.33,196.6 h60
  text "4" at 1430.55,196.17 h60
Top Paste:
  pour cut-out: 1933.58,157.48 1874.48,157.48 1874.48,78.78 1898.18,78.78 1898.18,0 1933.58,0
  pour cut-out: 1795.78,157.48 1736.72,157.48 1736.72,0 1772.16,0 1772.16,78.74 1795.78,78.74
  pour cut-out: 1622.55,157.48 1563.45,157.48 1563.45,78.78 1587.15,78.78 1587.15,0 1622.55,0
  pour cut-out: 1484.75,157.48 1425.69,157.48 1425.69,0 1461.13,0 1461.13,78.74 1484.75,78.74
  pour cut-out: 1311.53,157.48 1252.43,157.48 1252.43,78.78 1276.13,78.78 1276.13,0 1311.53,0
  pour cut-out: 1173.73,157.48 1114.67,157.48 1114.67,0 1150.11,0 1150.11,78.74 1173.73,78.74
  pour cut-out: 689.48,157.48 630.38,157.48 630.38,78.78 654.08,78.78 654.08,0 689.48,0
  pour cut-out: 551.68,157.48 492.62,157.48 492.62,0 528.06,0 528.06,78.74 551.68,78.74
  pour cut-out: 1000.5,157.48 941.4,157.48 941.4,78.78 965.1,78.78 965.1,0 1000.5,0
  pour cut-out: 862.7,157.48 803.64,157.48 803.64,0 839.08,0 839.08,78.74 862.7,78.74
  pour cut-out: 2555.62,157.48 2496.52,157.48 2496.52,78.78 2520.22,78.78 2520.22,0 2555.62,0
  pour cut-out: 2417.82,157.48 2358.76,157.48 2358.76,0 2394.2,0 2394.2,78.74 2417.82,78.74
  pour cut-out: 2244.6,157.48 2185.5,157.48 2185.5,78.78 2209.2,78.78 2209.2,0 2244.6,0
  pour cut-out: 2106.8,157.48 2047.74,157.48 2047.74,0 2083.18,0 2083.18,78.74 2106.8,78.74
  pour cut-out: 2728.85,157.48 2669.79,157.48 2669.79,0 2705.23,0 2705.23,78.74 2728.85,78.74
  pour cut-out: 2866.65,157.48 2807.55,157.48 2807.55,78.78 2831.25,78.78 2831.25,0 2866.65,0
  pour cut-out: 3177.91,158.35 3118.81,158.35 3118.81,79.65 3142.51,79.65 3142.51,0.87 3177.91,0.87
  pour cut-out: 3040.11,158.35 2981.05,158.35 2981.05,0.87 3016.49,0.87 3016.49,79.61 3040.11,79.61
Route Keepin:
  lines w0: 0,472.44 0,2362.2 0.15,2362.55 98.58,2460.98 98.93,2461.13 3571.37,2461.13 3571.72,2460.99 3571.73,2460.98 3670.14,2362.56 3670.29,2362.2 3670.29,472.44 3669.79,471.94 3394.7,471.94 3394.7,0 3394.2,-0.5 3142.23,-0.5 3141.73,0 3141.73,79.11 3016.75,79.11 3016.75,0 3016.25,-0.5 2831.21,-0.5 2830.71,0 2830.71,78.24 2705.72,78.24 2705.72,0 2705.22,-0.5 2520.19,-0.5 2519.69,0 2519.69,78.24 2394.7,78.24 2394.7,0 2394.2,-0.5 2209.16,-0.5 2208.66,0 2208.66,78.24 2083.68,78.24 2083.68,0 2083.18,-0.5 1898.14,-0.5 1897.64,0 1897.64,78.24 1772.65,78.24 1772.65,0 1772.15,-0.5 1587.11,-0.5 1586.61,0 1586.61,78.24 1461.63,78.24 1461.63,0 1461.13,-0.5 1276.09,-0.5 1275.59,0 1275.59,78.24 1150.61,78.24 1150.61,0 1150.11,-0.5 965.07,-0.5 964.57,0 964.57,78.24 839.58,78.24 839.58,0 839.08,-0.5 654.04,-0.5 653.54,0 653.54,78.24 528.56,78.24 528.56,0 528.06,-0.5 276.09,-0.5 275.59,0 275.59,471.94 0.5,471.94 0,472.44
FAB:
  lines w1: 0,472.44 0,0 275.59,0
DESIGN_OUTLINE:
  lines w1: 0.5,472.44 276.09,472.44 276.09,0 528.06,0 528.06,78.74 654.04,78.74 654.04,0 839.08,0 839.08,78.74 965.07,78.74 965.07,0 1150.11,0 1150.11,78.74 1276.09,78.74 1276.09,0 1461.13,0 1461.13,78.74 1587.11,78.74 1587.11,0 1772.15,0 1772.15,78.74 1898.14,78.74 1898.14,0 2083.18,0 2083.18,78.74 2209.16,78.74 2209.16,0 2394.2,0 2394.2,78.74 2520.19,78.74 2520.19,0 2705.22,0 2705.22,78.74 2831.21,78.74 2831.21,0 3016.25,0 3016.25,79.61 3142.23,79.61 3142.23,0 3394.2,0 3394.2,472.44 3669.79,472.44 3669.79,2362.2 3571.37,2460.63 98.93,2460.63 0.5,2362.2 0.5,472.44
Drill Drawing:
  drawing of 371 lines, arcs and shapes, not listed
  text "REVISIONS" at 15683.45,12497.01 h80
  text "REVISIONS" at 15683.45,12497.01 h80
  text "REV" at 13287.45,12197.01 h80
  text "REV" at 13287.45,12197.01 h80
  text "DESCRIPTION" at 15331.45,12197.01 h80
  text "DESCRIPTION" at 15331.45,12197.01 h80
  text "DATE" at 18105.45,12197.01 h80
  text "DATE" at 18105.45,12197.01 h80
  text "APPROVED" at 18927.45,12197.01 h80
  text "APPROVED" at 18927.45,12197.01 h80
  text "INITIAL RELEASE" at 14875.46,11770.98 h80
  text "A" at 13319.96,11765.98 h80
  text "08/10/2020" at 17923.45,11712.99 h80
  text "NOTES:" at 8745.97,8491.02 h125
  text "UNLESS OTHERWISE SPECIFIED" at 9945.97,8491.02 h125
  text "1.  MATERIAL: RO4003C AND FR-4  STACK-UP FILE IS INCLUDED, LAMINATE THICKNESS AND" at 8745.97,7822.56 h125
  text "NUMBER OF LAYERS PER DETAIL." at 9352.59,7372.24 h125
  text "BOARD THICKNESS, 60.8 mill +/- 10 %" at 9355.5,7090 h110
  text "SOLDER MASK TOP" at 10240.5,6725 h100
  text "2 MIL" at 11845.5,6550 h125
  text "LAYER 01 (TOP ETCH)" at 10170.5,6540 h100
  text "Symbol" at -55.22,6425 h72
  text "Count" at 450.66,6425 h72
  text "Hole Size" at 1050.5,6425 h72
  text "Plated" at 2150.18,6425 h72
  text "Drill Layer Pair" at 2656.06,6425 h72
  text "Via/Pad" at 3845.71,6425 h72
  text "12 MIL" at 11835.5,6370 h125
  text "R04003C" at 10460.5,6360 h100
  text "40" at 450.66,6275 h60
  text "5.98mil (0.152mm)" at 1050.5,6275 h60
  text "PTH" at 2150.18,6275 h60
  text "TOP - BOTTOM" at 2656.06,6275 h60
  text "Via" at 3845.71,6275 h60
  text "LAYER 02_GND" at 10320.5,6170 h100
  text "0.7 MIL" at 11840.5,6170 h125
  text "619" at 450.66,6125 h60
  text "10.00mil (0.254mm)" at 1050.5,6125 h60
  text "PTH" at 2150.18,6125 h60
  text "TOP - BOTTOM" at 2656.06,6125 h60
  text "Via" at 3845.71,6125 h60
  text "10 MIL" at 11850.5,6000 h125
  text "FR - 408HR" at 10405.5,5990 h100
  text "34" at 450.66,5975 h60
  text "31.50mil (0.800mm)" at 1050.5,5975 h60
  text "PTH" at 2150.18,5975 h60
  text "TOP - BOTTOM" at 2656.06,5975 h60
  text "Pad" at 3845.71,5975 h60
  text "1" at 450.66,5825 h60
  text "40.00mil (1.016mm)" at 1050.5,5825 h60
  text "PTH" at 2150.18,5825 h60
  text "TOP - BOTTOM" at 2656.06,5825 h60
  text "Pad" at 3845.71,5825 h60
  text "0.7 MIL" at 11870.5,5810 h125
  text "LAYER 03_SIG" at 10340.5,5805 h100
  text "7" at 450.66,5675 h60
  text "70.00mil (1.778mm)" at 1050.5,5675 h60
  text "PTH" at 2150.18,5675 h60
  text "TOP - BOTTOM" at 2656.06,5675 h60
  text "Pad" at 3845.71,5675 h60
  text "10 MIL" at 11865.5,5625 h125
  text "FR - 408HR" at 10415.5,5605 h100
  text "4" at 450.66,5525 h60
  text "96.00mil (2.438mm)" at 1050.5,5525 h60
  text "PTH" at 2150.18,5525 h60
  text "TOP - BOTTOM" at 2656.06,5525 h60
  text "Pad" at 3845.71,5525 h60
  text "LAYER 04_GND" at 10340.5,5440 h100
  text "0.7 MIL" at 11875.5,5435 h125
  text "705 Total" at 450.66,5375 h60
  text "FR - 408HR" at 10405.5,5250 h100
  text "10 MIL" at 11875.5,5250 h125
  text "LAYER 05_GND" at 10345.5,5065 h100
  text "0.7 MIL" at 11880.5,5060 h125
  text "Symbol" at -70.38,5000 h72
  text "Count" at 435.5,5000 h72
  text "Hole Size" at 1075.33,5000 h72
  text "Plated" at 2165.01,5000 h72
  text "Drill Layer Pair" at 2670.89,5000 h72
  text "Via/Pad" at 3860.54,5000 h72
  text "R04003C" at 10435.5,4880 h100
  text "12 MIL" at 11885.5,4870 h125
  text "386" at 435.5,4850 h60
  text "5.00mil (0.127mm)" at 1075.33,4850 h60
  text "PTH" at 2165.01,4850 h60
  text "TOP - L02_GND" at 2670.89,4850 h60
  text "Via" at 3860.54,4850 h60
  text "791" at 435.5,4700 h60
  text "10.00mil (0.254mm)" at 1075.33,4700 h60
  text "PTH" at 2165.01,4700 h60
  text "TOP - L02_GND" at 2670.89,4700 h60
  text "Via" at 3860.54,4700 h60
  text "LAYER 06_BOTOM SIDE" at 10200.5,4695 h100
  text "2 MIL" at 11890.97,4671.02 h125
  text "1177 Total" at 435.5,4550 h60
  text "SOLDER MASK BOTTOM" at 10185.5,4525 h100
  text "Symbol" at -60.22,4220 h72
  text "Count" at 445.66,4220 h72
  text "Hole Size" at 1045.5,4220 h72
  text "Plated" at 2135.18,4220 h72
  text "Drill Layer Pair" at 2641.06,4220 h72
  text "Via/Pad" at 3830.71,4220 h72
  text "25" at 445.66,4070 h60
  text "5.00mil (0.127mm)" at 1045.5,4070 h60
  text "PTH" at 2135.18,4070 h60
  text "L05_GND - BOTTOM" at 2641.06,4070 h60
  text "Via" at 3830.71,4070 h60
  text "VIA FILLED ALL HOLES LESS THAN 6 MILS" at 9050.5,4045 h125
  text "635" at 445.66,3920 h60
  text "10.00mil (0.254mm)" at 1045.5,3920 h60
  text "PTH" at 2135.18,3920 h60
  text "L05_GND - BOTTOM" at 2641.06,3920 h60
  text "Via" at 3830.71,3920 h60
  text "FLAT NO DIMPLE" at 9225.5,3810 h125
  text "660 Total" at 445.66,3770 h60
  text "2.  FINISHED CONDUCTOR THICKNESS:" at 8840.5,3485 h125
  text "EXTERNAL LAYERS:1.5 OZ. CU/SQ. FT." at 9200.5,3255 h125
  text "INTERNAL LAYERS:  0.5 OZ. CU/SQ. FT." at 9195.97,3002.24 h125
  text "3.  HOLE SCHEDULE PER DRILL CHART. ALL PLATED THROUGH HOLES SHALL HAVE A MINIMUM OF 0.001”" at 8815.97,2732.24 h125
  text "OF ADDITIVE COPPER ON HOLE WALLS AS PER IPC6012 CLASS 3." at 9215.5,2420 h125
  text "5.  MINIMUM ANNULAR RING SHALL BE 0.001\" AFTER PLATING" at 8820.97,2038.54 h125
  text "6.  FINISH: ENIG (ELECTRO LESS NICKEL IMMERSION GOLD)." at 8820.97,1644.84 h125
  text "7.  SOLDER MASK TO BE GREEN LIQUID PHOTO-IMAGEABLE PER IPC-SM-840." at 8820.97,1251.14 h125
  text "8.  SILKSCREEN MARKING SHALL BE SCREEN PRINTED WITH NON-CONDUCTIVE EPOXY INK IN WHITE" at 8820.97,857.44 h125
  text "COLOR WITH +/- 0.005\" REGISTRATION." at 9332.78,463.74 h125
  text "9.  MAX WARP & TWIST < 0.010\"/INCH AS PER STANDARD IPC-D-300." at 8805.97,91.14 h125
  text "18X PLATED EDGES ARE" at 3902.03,-128.11 h125
  text "10. GENERAL ACCEPTABILITY AND WORKMANSHIP AS PER IPC-A-600E." at 8775.5,-235 h125
  text "RECOMMENDED" at 3930.3,-315.52 h125
  text "11. COPPER THIEVING SHALL NOT BE ADDED WITHOUT PRIOR APPROVAL." at 8795.5,-560 h125
  text "12. NO REWORK OF ANY TYPE ALLOWED ON COPPER FEATURES WITHOUT PRIOR APPROVAL." at 8795.5,-915 h125
  text "IMPEDANCE REQUIREMENT" at -2385.48,-1169.61 h188
  text "50 OHM CPWG" at 10230.5,-1760 h188
  text "IMPEDANCE" at 6090.5,-1795 h188
  text "IMPEDANCE" at 1670.11,-1843.78 h188
  text "50 OHM" at 3552.11,-1843.78 h188
  text "LAYER STACK UP TABLE" at -2263.91,-2143.78 h188
  text "SPACING" at 10767.04,-2295.98 h188
  text "TRACE WIDTH" at 5937.82,-2360.75 h188
  text "TRACE WIDTH" at 2182.11,-2368.27 h188
  text "IN mm" at 10905.54,-2606.5 h188
  text "IN mm" at 6376.33,-2671.26 h188
  text "IN mm" at 2620.62,-2678.78 h188
  text "L01_TOP" at -1535.88,-3072.76 h188
  text "0.1/0.15" at 10565.11,-3107.17 h188
  text "0.35" at 6568.85,-3130.63 h188
  text "0.127" at 2979.12,-3143.78 h188
  text "0.1" at 11083.81,-3723.86 h188
  text "0.457" at 6557.86,-3767.8 h188
  text "0.127" at 2926.68,-4403.46 h188
  text "L03_SIG" at -1533.2,-4470.43 h188
  text "0.35" at 6557.86,-5025.55 h188
  text "0.1" at 11298.77,-5040.55 h188
  text "L04_BOTTOM" at -1515.21,-5070.43 h188
  text "TITLE" at 15128.45,-6052.99 h80
  text "SPECIAL NOTES:" at -2334.5,-6120 h188
  text "SP8T RF Board" at 16309.44,-6416.65 h188
  text "1. 0.35 TRACES ON TOP & BOTTOM and 0.457 TRACES TOP" at -2350.13,-6512.52 h188
  text "SIZE" at 14868.45,-6962.99 h80
  text "SIZE" at 14868.45,-6962.99 h80
  text "FSCM NO" at 15368.45,-6962.99 h80
  text "FSCM NO" at 15368.45,-6962.99 h80
  text "DWG NO" at 16368.45,-6962.99 h80
  text "DWG NO" at 16368.45,-6962.99 h80
  text "REV" at 19218.45,-6962.99 h80
  text "REV" at 19218.45,-6962.99 h80
  text "SIGNAL LAYER TO BE 50 OHM CPWG LINE WITH FINISHED IMPEDANCE 50 OHM" at -2007.61,-7035.16 h188
  text "A" at 19255.38,-7131.38 h80
  text "J#96546" at 17086.44,-7145.67 h188
  text "SCALE" at 14818.45,-7462.99 h80
  text "SCALE" at 14818.45,-7462.99 h80
  text "SHEET" at 18068.45,-7462.99 h80
  text "SHEET" at 18068.45,-7462.99 h80
  text "1:1" at 15355.93,-7469.69 h80
  text "OF 3" at 18835.93,-7497.99 h80

## Dimensions
276.09,0 to 0.5,472.44 on Drill Drawing
276.09,0 to 3394.2,0 on Drill Drawing
0.5,472.44 to 276.09,0 on Drill Drawing
83.18,1007.87 to 276.09,0 on Drill Drawing
83.18,1801.18 to 276.09,0 on Drill Drawing
0.5,2362.2 to 276.09,0 on Drill Drawing
98.93,2460.63 to 276.09,0 on Drill Drawing
3669.79,2362.2 to 0.5,2362.2 on Drill Drawing
98.93,2460.63 to 3571.37,2460.63 on Drill Drawing

## Text inside footprints (layer, text, board x,y; h text height)
J1: Top Overlay "34" at 1841,2165 h25; ASSEMBLY_TOP "33" at 1647.27,1958.42 h25 r180; ASSEMBLY_TOP "34" at 1627.59,2478.11 h25 r180; ASSEMBLY_TOP "1" at 332.31,2001.73 h25 r180; ASSEMBLY_TOP "2" at 312.63,2422.99 h25 r180; NCLEGEND-1-6 "18" at 985.54,2174.96 h25 r180; NCLEGEND-1-6 "16" at 906.8,2174.96 h25 r180; NCLEGEND-1-6 "17" at 985.54,2096.22 h25 r180; NCLEGEND-1-6 "15" at 906.8,2096.22 h25 r180; NCLEGEND-1-6 "14" at 828.06,2174.96 h25 r180; NCLEGEND-1-6 "13" at 828.06,2096.22 h25 r180; NCLEGEND-1-6 "12" at 749.32,2174.96 h25 r180; NCLEGEND-1-6 "11" at 749.32,2096.22 h25 r180; NCLEGEND-1-6 "33" at 1615.46,2096.22 h25 r180; NCLEGEND-1-6 "34" at 1615.46,2174.96 h25 r180; NCLEGEND-1-6 "10" at 670.58,2174.96 h25 r180; NCLEGEND-1-6 "9" at 680.58,2096.22 h25 r180; NCLEGEND-1-6 "8" at 601.84,2174.96 h25 r180; NCLEGEND-1-6 "7" at 601.84,2096.22 h25 r180; NCLEGEND-1-6 "3" at 444.36,2096.22 h25 r180; NCLEGEND-1-6 "4" at 444.36,2174.96 h25 r180; NCLEGEND-1-6 "5" at 523.1,2096.22 h25 r180; NCLEGEND-1-6 "6" at 523.1,2174.96 h25 r180; NCLEGEND-1-6 "2" at 365.62,2174.96 h25 r180; NCLEGEND-1-6 "1" at 365.62,2096.22 h25 r180; NCLEGEND-1-6 "32" at 1536.72,2174.96 h25 r180; NCLEGEND-1-6 "31" at 1536.72,2096.22 h25 r180; NCLEGEND-1-6 "30" at 1457.98,2174.96 h25 r180; NCLEGEND-1-6 "29" at 1457.98,2096.22 h25 r180; NCLEGEND-1-6 "28" at 1379.24,2174.96 h25 r180; NCLEGEND-1-6 "27" at 1379.24,2096.22 h25 r180; NCLEGEND-1-6 "26" at 1300.5,2174.96 h25 r180; NCLEGEND-1-6 "25" at 1300.5,2096.22 h25 r180; NCLEGEND-1-6 "24" at 1221.76,2174.96 h25 r180; NCLEGEND-1-6 "23" at 1221.76,2096.22 h25 r180; NCLEGEND-1-6 "22" at 1143.02,2174.96 h25 r180; NCLEGEND-1-6 "21" at 1143.02,2096.22 h25 r180; NCLEGEND-1-6 "20" at 1064.28,2174.96 h25 r180; NCLEGEND-1-6 "19" at 1064.28,2096.22 h25 r180
MH5: PIN_NUMBER "1" at 1827.12,1212.03 h25
MH6: PIN_NUMBER "1" at 2512,1211.78 h25
MH7: PIN_NUMBER "1" at 3187.05,376.66 h25
MH8: PIN_NUMBER "1" at 2293.47,286.73 h25
MH9: PIN_NUMBER "1" at 1360.55,286.83 h25
MH10: PIN_NUMBER "1" at 466.94,376.49 h25
MH11: PIN_NUMBER "1" at 1141.87,1212.02 h25
RF_5: Top Assembly "Brd Edge" at 2641.12,-49.79 h15 r180
RF_6: Top Assembly "Brd Edge" at 2330.1,-49.79 h15 r180
RF_7: Top Assembly "Brd Edge" at 2952.15,-49.79 h15 r180
RF_8: Top Assembly "Brd Edge" at 3263.41,-48.92 h15 r180
RF_9: Top Assembly "Brd Edge" at 1397.03,-49.79 h15 r180
RF_10: Top Assembly "Brd Edge" at 1708.05,-49.79 h15 r180
RF_11: Top Assembly "Brd Edge" at 1086,-49.79 h15 r180
RF_12: Top Assembly "Brd Edge" at 774.98,-49.79 h15 r180
RFC1: Top Assembly "Brd Edge" at 2019.08,-49.79 h15 r180